# Altium PCB 脑电采集板V4.0.PcbDoc (part 1 of 2) (continued)
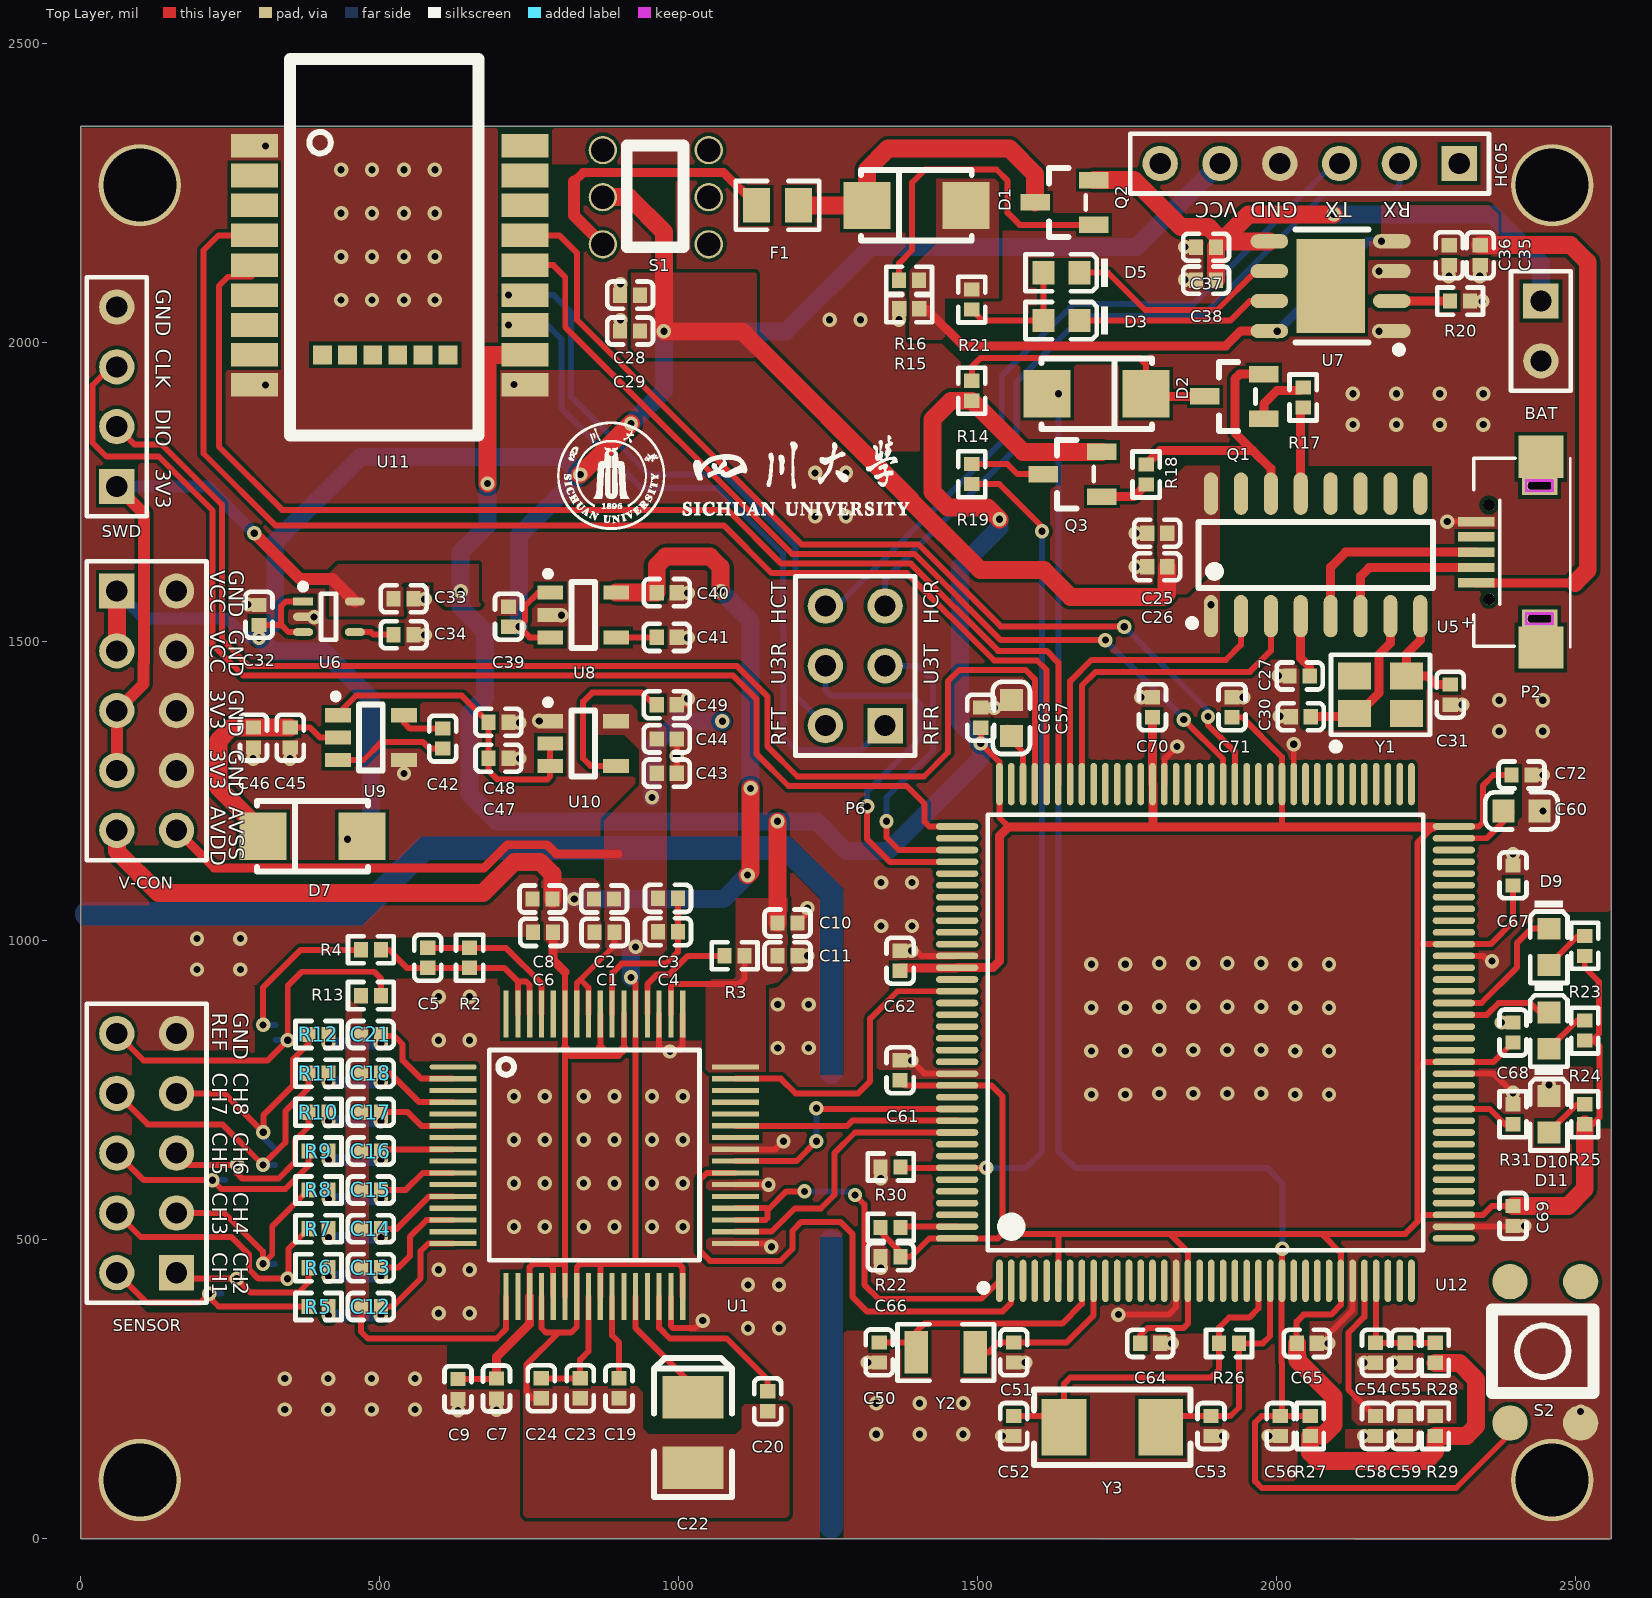
[diagram p0: Top Layer view]
## Components (designator, comment, footprint, x,y, rotation, side; value= is the part's Value field where it differs from the comment) (continued)
SWD "SWD" HDR1X4 60,1760 r90 top (schematic designator P7)
U1 "ADS1299" ADS1299 552.56,889.21 r0 top
U2 "TPD4E1B06DCKR" TPD4 325.34,460.59 r180 bottom
U3 "TPD4E1B06DCKR" TPD4 325.34,650.96 r180 bottom
U4 "TPD4E1B06DCKR" TPD4 325.34,859.53 r180 bottom
U5 "CH340G" SOIC-16_150mil 2065,1645.55 r0 top
U6 "TPS71733DCKR" SC-70-5 371.52,1567.6 r0 top
U7 "TP4056" SOP-8_EP_150mil 2090,2095 r90 top
U8 "TPS73225" SOT-23-5 840.12,1545 r180 top
U9 "TPS60403" SOT-23-5 485.12,1340 r180 top
U10 "TPS72325" SOT-23-5 840,1330 r180 top
U11 "nRF52832" nRF52832 480,2145 r180 top
U12 "STM32F429ZGT6" LQFP-144_20x20x05P 1880.71,846.85 r0 top
V-CON "电源" HDR2X5 60,1585 r270 top (schematic designator P3)
Y1 "12MHZ" SMD-3225_4P 2173.31,1411.5 r0 top
Y2 "32.768KHz" "SMD-3215_2P FC - 135" 1446.5,311.73 r0 top
Y3 "8MHz" SMD-5032_2P 1725,186.85 r0 top

## Footprints (in the part's own frame and the unit in brackets; to place one, negate y for a bottom-side part, rotate by r counter-clockwise, add the part's x,y. Pads: shape width x height; smd on the part's side, far side on the other; paste and mask are expansions set on the pad)
0402_C [mm]
  rect 0.6x0.65 smd mask+0.051: 1(-0.425,0) 2(0.425,0)
  silkscreen extent -0.97,-0.58 0.98,0.58, body extent -0.48,-0.3 0.52,0.3, height 0.2
0402_R [mm]
  rect 0.6x0.65 smd mask+0.051: 1(-0.425,0) 2(0.425,0)
  silkscreen extent -0.98,-0.58 0.97,0.58, body extent -0.57,-0.27 0.58,0.28, height 0.41
0603_C [mm]
  rect 0.93x0.98 smd: 1(-0.77,0) 2(0.77,0)
  silkscreen extent -1.53,-0.79 1.54,0.79, body extent -0.8,-0.4 0.8,0.4, height 0.3
0603_LED_S1 [mm]
  rect 0.93x0.98 smd: A(0.77,0) K(-0.77,0)
  silkscreen extent -1.98,-0.79 1.54,0.79, body extent -0.8,-0.4 0.8,0.4, height 0.6
0805_R [mm]
  rect 1.16x1.47 smd: 1(-0.89,0) 2(0.89,0)
  silkscreen extent -1.77,-1.03 1.77,1.03, body extent -1,-0.62 1,0.63, height 0.49
ADS1299 [mm]
  oval 2x0.22 smd: 1(1.778,-2.54)
  rect 2x0.22 smd: 2(1.778,-3.04) 3(1.778,-3.54) 4(1.778,-4.04) 5(1.778,-4.54) 6(1.778,-5.04) 7(1.778,-5.54) 8(1.778,-6.04) 9(1.778,-6.54) 10(1.778,-7.04) 11(1.778,-7.54) 12(1.778,-8.04) 13(1.778,-8.54) 14(1.778,-9.04) 15(1.778,-9.54) 16(1.778,-10.04) 33(13.778,-10.04) 34(13.778,-9.54) 35(13.778,-9.04) 36(13.778,-8.54) 37(13.778,-8.04) 38(13.778,-7.54) 39(13.778,-7.04) 40(13.778,-6.54) 41(13.778,-6.04) 42(13.778,-5.54) 43(13.778,-5.04) 44(13.778,-4.54) 45(13.778,-4.04) 46(13.778,-3.54) 47(13.778,-3.04) 48(13.778,-2.54)
  rect 0.22x2 smd: 17(4.028,-12.29) 18(4.528,-12.29) 19(5.028,-12.29) 20(5.528,-12.29) 21(6.028,-12.29) 22(6.528,-12.29) 23(7.028,-12.29) 24(7.528,-12.29) 25(8.028,-12.29) 26(8.528,-12.29) 27(9.028,-12.29) 28(9.528,-12.29) 29(10.028,-12.29) 30(10.528,-12.29) 31(11.028,-12.29) 32(11.528,-12.29) 49(11.528,-0.29) 50(11.028,-0.29) 51(10.528,-0.29) 52(10.028,-0.29) 53(9.528,-0.29) 54(9.028,-0.29) 55(8.528,-0.29) 56(8.028,-0.29) 57(7.528,-0.29) 58(7.028,-0.29) 59(6.528,-0.29) 60(6.028,-0.29) 61(5.528,-0.29) 62(5.028,-0.29) 63(4.528,-0.29) 64(4.028,-0.29)
  silkscreen extent 3.31,-10.75 12.24,-1.83
CASE-B_3528 [mm]
  rect 1.8x2.6 smd: 1(1.5,0) 2(-1.5,0)
  silkscreen extent -2.73,-1.65 3.16,1.65, body extent -1.85,-1.47 1.85,1.46, height 2.03
HDR1X2 [mm] "Connector; Header; 2 Position"
  rect 1.5x1.5 hole 0.9: 1(0,0)
  round 1.5 hole 0.9: 2(2.54,0)
  silkscreen extent -1.27,-1.27 3.81,1.27
HDR1X4 [mm] "Connector; Header; 4 Position"
  rect 1.5x1.5 hole 0.9: 1(0,0)
  round 1.5 hole 0.9: 2(2.54,0) 3(5.08,0) 4(7.62,0)
  silkscreen extent -1.27,-1.27 8.89,1.27
HDR1X6 [mm] "Connector; Header; 6 Position"
  rect 1.5x1.5 hole 0.9: 1(0,0)
  round 1.5 hole 0.9: 2(2.54,0) 3(5.08,0) 4(7.62,0) 5(10.16,0) 6(12.7,0)
  silkscreen extent -1.27,-1.27 13.97,1.27
HDR2X3 [mm] "Connector; Header; 3x2 Position"
  rect 1.5x1.5 hole 0.9: 1(0,0)
  round 1.5 hole 0.9: 2(0,2.54) 3(2.54,0) 4(2.54,2.54) 5(5.08,0) 6(5.08,2.54)
  silkscreen extent -1.27,-1.27 6.35,3.81
HDR2X5 [mm] "Connector; Header; 5x2 Position"
  rect 1.5x1.5 hole 0.9: 1(0,0)
  round 1.5 hole 0.9: 2(0,2.54) 3(2.54,0) 4(2.54,2.54) 5(5.08,0) 6(5.08,2.54) 7(7.62,0) 8(7.62,2.54) 9(10.16,0) 10(10.16,2.54)
  silkscreen extent -1.27,-1.27 11.43,3.81
key_4.5*4.5*3.8 [mm]
  round 1.5 smd: 1(0,0) 2(0,-3) ""(6,-3) ""(6,0)
  silkscreen extent 1.27,-3.56 4.83,0.76
KEY_5.8*5.8 [mm] "KEY_5.8*5.8"
  round 1.2 hole 1: 1(0,0) 2(0,2) 3(0,4) 4(4.5,4) 5(4.5,2) 6(4.5,0)
  silkscreen extent 1.02,-0.13 3.43,4.19
LQFP-144_20x20x05P [mm]
  oval 0.28x1.8 smd mask+0.051: 1(-8.75,-10.55) 2(-8.25,-10.55) 3(-7.75,-10.55) 4(-7.25,-10.55) 5(-6.75,-10.55) 6(-6.25,-10.55) 7(-5.75,-10.55) 8(-5.25,-10.55) 9(-4.75,-10.55) 10(-4.25,-10.55) 11(-3.75,-10.55) 12(-3.25,-10.55) 13(-2.75,-10.55) 14(-2.25,-10.55) 15(-1.75,-10.55) 16(-1.25,-10.55) 17(-0.75,-10.55) 18(-0.25,-10.55) 19(0.25,-10.55) 20(0.75,-10.55) 21(1.25,-10.55) 22(1.75,-10.55) 23(2.25,-10.55) 24(2.75,-10.55) 25(3.25,-10.55) 26(3.75,-10.55) 27(4.25,-10.55) 28(4.75,-10.55) 29(5.25,-10.55) 30(5.75,-10.55) 31(6.25,-10.55) 32(6.75,-10.55) 33(7.25,-10.55) 34(7.75,-10.55) 35(8.25,-10.55) 36(8.75,-10.55) 73(8.75,10.55) 74(8.25,10.55) 75(7.75,10.55) 76(7.25,10.55) 77(6.75,10.55) 78(6.25,10.55) 79(5.75,10.55) 80(5.25,10.55) 81(4.75,10.55) 82(4.25,10.55) 83(3.75,10.55) 84(3.25,10.55) 85(2.75,10.55) 86(2.25,10.55) 87(1.75,10.55) 88(1.25,10.55) 89(0.75,10.55) 90(0.25,10.55) 91(-0.25,10.55) 92(-0.75,10.55) 93(-1.25,10.55) 94(-1.75,10.55) 95(-2.25,10.55) 96(-2.75,10.55) 97(-3.25,10.55) 98(-3.75,10.55) 99(-4.25,10.55) 100(-4.75,10.55) 101(-5.25,10.55) 102(-5.75,10.55) 103(-6.25,10.55) 104(-6.75,10.55) 105(-7.25,10.55) 106(-7.75,10.55) 107(-8.25,10.55) 108(-8.75,10.55)
  oval 1.8x0.28 smd mask+0.051: 37(10.55,-8.75) 38(10.55,-8.25) 39(10.55,-7.75) 40(10.55,-7.25) 41(10.55,-6.75) 42(10.55,-6.25) 43(10.55,-5.75) 44(10.55,-5.25) 45(10.55,-4.75) 46(10.55,-4.25) 47(10.55,-3.75) 48(10.55,-3.25) 49(10.55,-2.75) 50(10.55,-2.25) 51(10.55,-1.75) 52(10.55,-1.25) 53(10.55,-0.75) 54(10.55,-0.25) 55(10.55,0.25) 56(10.55,0.75) 57(10.55,1.25) 58(10.55,1.75) 59(10.55,2.25) 60(10.55,2.75) 61(10.55,3.25) 62(10.55,3.75) 63(10.55,4.25) 64(10.55,4.75) 65(10.55,5.25) 66(10.55,5.75) 67(10.55,6.25) 68(10.55,6.75) 69(10.55,7.25) 70(10.55,7.75) 71(10.55,8.25) 72(10.55,8.75) 109(-10.55,8.75) 110(-10.55,8.25) 111(-10.55,7.75) 112(-10.55,7.25) 113(-10.55,6.75) 114(-10.55,6.25) 115(-10.55,5.75) 116(-10.55,5.25) 117(-10.55,4.75) 118(-10.55,4.25) 119(-10.55,3.75) 120(-10.55,3.25) 121(-10.55,2.75) 122(-10.55,2.25) 123(-10.55,1.75) 124(-10.55,1.25) 125(-10.55,0.75) 126(-10.55,0.25) 127(-10.55,-0.25) 128(-10.55,-0.75) 129(-10.55,-1.25) 130(-10.55,-1.75) 131(-10.55,-2.25) 132(-10.55,-2.75) 133(-10.55,-3.25) 134(-10.55,-3.75) 135(-10.55,-4.25) 136(-10.55,-4.75) 137(-10.55,-5.25) 138(-10.55,-5.75) 139(-10.55,-6.25) 140(-10.55,-6.75) 141(-10.55,-7.25) 142(-10.55,-7.75) 143(-10.55,-8.25) 144(-10.55,-8.75)
  silkscreen extent -9.57,-11 9.25,9.25
MICRO-USB [mm]
  rect 0.4x1.55 smd: 1(-1.3,2.2) 2(-0.65,2.2) 3(0,2.2) 4(0.65,2.2) 5(1.3,2.2)
  rect 1.8x1.9 smd: 6(-4.05,-0.55) 6(4.05,-0.55)
  rect 0.8x1.5 hole 0.4 slot 1 at 90 deg: 6(-2.825,-0.5) 6(2.825,-0.5)
  round 0.5 hole 0.5 unplated: ""(-2,1.65) ""(2,1.65)
  Keep-Out Layer lines w0.127: -3.054,0.075 -2.596,0.075 -2.596,-1.043 -3.054,-1.043 -3.054,0.075 ; 2.596,0.075 3.054,0.075 3.054,-1.043 2.596,-1.043 2.596,0.075
  silkscreen extent -4.05,-1.8 4,2.3, body extent -4.03,-3.3 4.03,2.28, height 3.13
nRF52832 [mm]
  rect 2x1 smd: 1(4.826,-4.699) 2(4.826,-3.429) 3(4.826,-2.159) 4(4.826,-0.889) 5(4.826,0.381) 6(4.826,1.651) 7(4.826,2.921) 8(4.826,4.191) 9(4.826,5.461) 16(-6.674,5.461) 17(-6.674,4.191) 18(-6.674,2.921) 19(-6.674,1.651) 20(-6.674,0.381) 21(-6.674,-0.889) 22(-6.674,-2.159) 23(-6.674,-3.429) 24(-6.674,-4.699)
  rect 0.8x0.8 smd: 10(1.93,4.191) 11(0.864,4.191) 12(-0.203,4.191) 13(-1.27,4.191) 14(-2.337,4.191) 15(-3.404,4.191)
  silkscreen extent -4.7,-8.38 3.3,7.62
SC-70-5 [mm]
  rect 0.85x0.35 smd: 1(0,0)
  oval 0.85x0.35 smd: 2(0,-0.65) 3(0,-1.3) 4(2.2,-1.3) 5(2.2,0)
  silkscreen extent -0.13,-1.63 1.4,0.76
SMA(DO-214AC)_S1 [mm]
  rect 2x2 smd: 1(2.1,0) 2(-2.1,0)
  silkscreen extent -2.35,-1.5 2.35,1.5
"SMD-3215_2P FC - 135" [mm]
  rect 1x1.8 smd: 1(-1.25,0) 2(1.25,0)
  silkscreen extent -2.05,-1.2 2.05,1.2
SMD-3225_4P [mm]
  rect 1.4x1.15 smd: 1(-1.1,-0.8) 2(1.1,-0.8) 3(1.1,0.8) 4(-1.1,0.8)
  silkscreen extent -2.1,-2.35 2.1,1.7, body extent -1.6,-1.25 1.6,1.25, height 0.61
SMD-5032_2P [mm]
  rect 1.9x2.4 smd: 1(-2.05,0) 2(2.05,0)
  silkscreen extent -3.33,-1.6 3.33,1.6
SOD-123 [mm]
  rect 1.25x1 smd: 1(1.475,0) 2(-1.475,0)
  silkscreen extent -0.5,-0.7 0.5,0.7, body extent -1.85,-0.77 1.85,0.78, height 1.35
SOIC-16_150mil [mm]
  oval 0.6x1.8 smd: 1(-4.445,-2.6) 2(-3.175,-2.6) 3(-1.905,-2.6) 4(-0.635,-2.6) 5(0.635,-2.6) 6(1.905,-2.6) 7(3.175,-2.6) 8(4.445,-2.6) 9(4.445,2.6) 10(3.175,2.6) 11(1.905,2.6) 12(0.635,2.6) 13(-0.635,2.6) 14(-1.905,2.6) 15(-3.175,2.6) 16(-4.445,2.6)
  silkscreen extent -5.4,-3.05 4.97,1.4
SOP-8_EP_150mil [mm]
  rect 4x2.9 smd: 0(0,0)
  oval 0.6x1.6 smd: 1(-1.905,-2.6) 2(-0.635,-2.6) 3(0.635,-2.6) 4(1.905,-2.6) 5(1.905,2.6) 6(0.635,2.6) 7(-0.635,2.6) 8(-1.905,2.6)
  silkscreen extent -2.85,-3.05 2.4,1.5
SOT-23(SOT-23-3) [mm]
  rect 1.25x0.7 smd: 1(1.25,-0.95) 2(1.25,0.95) 3(-1.25,0)
  silkscreen extent -0.65,-1.46 0.9,1.46, body extent -1.5,-1.5 1.5,1.5, height 1.3
SOT-23-5 [mm]
  rect 1.1x0.6 smd: 1(1.4,-0.95) 2(1.4,0) 3(1.4,0.95) 4(-1.4,0.95) 5(-1.4,-0.95)
  silkscreen extent -0.5,-1.87 1.62,1.4
TPD4 [mm]
  rect 0.85x0.35 smd: 1(0,0)
  oval 0.85x0.35 smd: 2(0,-0.65) 3(0,-1.3) 4(2.2,-1.3) 5(2.2,-0.65) 6(2.2,0)
  silkscreen extent -0.13,-1.63 1.4,0.76

## Part data
BAT: library part "Header 2", "Header, 2-Pin", LatestRevisionDate=17-Jul-2002, LatestRevisionNote="Re-released for DXP Platform.", Publisher="Altium Limited"
C1 C2 C3 C4 C5 C6 C7 C8 C9 C10 C11 C19 C20 C24 C44 C46 C48: library part "0603 10nF (103) 10% 50V", "贴片电容", Package=0603, SuppliersPartNumber=C57112, ComponentLink1Description=供应商链接, ComponentLink1URL=http://www.szlcsc.com/product/details_58143.html, Supplier=LC
C12 C13 C14 C15 C16 C17 C18 C21: library part "0402 1nF (102) 10% 50V", "贴片电容", Package=0402, SuppliersPartNumber=C1523, ComponentLink1Description=供应商链接, ComponentLink1URL=http://www.szlcsc.com/product/details_1875.html, Supplier=LC
C22: library part "3528 100uF (107) 10% 6.3V", "钽电容", Package=3528, SuppliersPartNumber=C16133, ComponentLink1Description=供应商链接, ComponentLink1URL=http://www.szlcsc.com/product/details_16815.html, Supplier=LC
C23 C25 C54 C58: library part "0603 10uF (106) 10% 10V", "贴片电容", Package=0603, SuppliersPartNumber=C19702, ComponentLink1Description=供应商链接, ComponentLink1URL=http://www.szlcsc.com/product/details_20411.html, Supplier=LC
C26 C27 C55 C56 C59 C61 C62 C63 C64 C65 C66 C67 C68 C69 C70 C71 C72: library part "0603 100nF (104) 10% 50V", "贴片电容", Package=0603, SuppliersPartNumber=C14663, ComponentLink1Description=供应商链接, ComponentLink1URL=http://www.szlcsc.com/product/details_15331.html, Supplier=LC
C28 C35 C38: library part "0402 100nF (104) 10% 16V", "贴片电容", Package=0402, SuppliersPartNumber=C1525, ComponentLink1Description=供应商链接, ComponentLink1URL=http://www.szlcsc.com/product/details_1877.html, Supplier=LC
C29 C36 C37: library part "0402 10uF (106) 20% 6.3V", "贴片电容", Package=0402, SuppliersPartNumber=C15525, ComponentLink1Description=供应商链接, ComponentLink1URL=http://www.szlcsc.com/product/details_16204.html, Supplier=LC
C30 C31 C52 C53: library part "0603 22pF (220) 5% 50V", "贴片电容", Package=0603, SuppliersPartNumber=C1653, ComponentLink1Description=供应商链接, ComponentLink1URL=http://www.szlcsc.com/product/details_2005.html, Supplier=LC
C32 C33 C39 C40 C42 C43 C45 C47: library part "0603 1uF (105) 10% 50V", "贴片电容", Package=0603, SuppliersPartNumber=C15849, ComponentLink1Description=供应商链接, ComponentLink1URL=http://www.szlcsc.com/product/details_16531.html, Supplier=LC
C34 C41 C49: library part "0603 1nF (102) 10% 50V", "贴片电容", Package=0603, SuppliersPartNumber=C1588, ComponentLink1Description=供应商链接, ComponentLink1URL=http://www.szlcsc.com/product/details_1940.html, Supplier=LC
C50 C51: library part "0603 10pF (100) 5% 50V", "贴片电容", Package=0603, SuppliersPartNumber=C1634, ComponentLink1Description=供应商链接, ComponentLink1URL=http://www.szlcsc.com/product/details_1986.html, Supplier=LC
C57 C60: library part "0603 2.2uF (225) 10% 16V", "贴片电容", Package=0603, SuppliersPartNumber=C23630, ComponentLink1Description=供应商链接, ComponentLink1URL=http://www.szlcsc.com/product/details_24366.html, Supplier=LC
D1 D2 D7: library part "SMA(DO-214AC) SS210", "二极管", Package=SMA(DO-214AC), SuppliersPartNumber=C14996, ComponentLink1Description=供应商链接, ComponentLink1URL=http://www.szlcsc.com/product/details_15669.html, Supplier=LC
D3 D11: library part "0603 红灯", "发光二极管", Package=0603, SuppliersPartNumber=C2286, ComponentLink1Description=供应商链接, ComponentLink1URL=http://www.szlcsc.com/product/details_2659.html, Supplier=LC
D4 D6 D8: library part "SOD-123 B5819W  SL", "肖特基二极管", Package=SOD-123, SuppliersPartNumber=C8598, ComponentLink1Description=供应商链接, ComponentLink1URL=http://www.szlcsc.com/product/details_9093.html, Supplier=LC
D5 D9 D10: library part "0603 绿灯", "发光二极管", Package=0603, SuppliersPartNumber=C72043, ComponentLink1Description=供应商链接, ComponentLink1URL=http://www.szlcsc.com/product/details_73152.html, Supplier=LC
F1: library part "Fuse 2", "Fuse", LatestRevisionDate=17-Jul-2002, LatestRevisionNote="Re-released for DXP Platform.", PackageDescription="Thru-Hole; 2 Leads", PackageReference=PIN-W2/E2.8, Published=8-Jun-2000, Publisher="Altium Limited"
HC05: library part "Header 6", "Header, 6-Pin", LatestRevisionDate=17-Jul-2002, LatestRevisionNote="Re-released for DXP Platform.", Publisher="Altium Limited"
P2: library part "Header 5", "Header, 5-Pin", LatestRevisionDate=17-Jul-2002, LatestRevisionNote="Re-released for DXP Platform.", Publisher="Altium Limited"
P6: library part "Header 3X2", "Header, 3-Pin, Dual row", LatestRevisionDate=17-Jul-2002, LatestRevisionNote="Re-released for DXP Platform.", Publisher="Altium Limited"
Q1: library part "SOT-23 SS8050 Y1", "三极管", Package=SOT-23, SuppliersPartNumber=C2150, ComponentLink1Description=供应商链接, ComponentLink1URL=http://www.szlcsc.com/product/details_2507.html, Supplier=LC
Q2: "MOS(场效应管)", Package=SOT-23(SOT-23-3), SuppliersPartNumber=C8492, ComponentLink1Description=供应商链接, ComponentLink1URL=http://www.szlcsc.com/product/details_8986.html, Supplier=LC
Q3: library part "SOT-23 SS8550 Y2", "三极管", Package=SOT-23, SuppliersPartNumber=C8542, ComponentLink1Description=供应商链接, ComponentLink1URL=http://www.szlcsc.com/product/details_9037.html, Supplier=LC
R2 R4: library part "0603 100KΩ (1003) 1%", "贴片电阻", Package=0603, SuppliersPartNumber=C25803, ComponentLink1Description=供应商链接, ComponentLink1URL=http://www.szlcsc.com/product/details_26546.html, Supplier=LC
R3: library part "0603 10KΩ (1002) 1%", "贴片电阻", Package=0603, SuppliersPartNumber=C25804, ComponentLink1Description=供应商链接, ComponentLink1URL=http://www.szlcsc.com/product/details_26547.html, Supplier=LC
R5 R6 R7 R8 R9 R10 R11 R12 R13: library part "0402 2.2KΩ (2201) 1%", "贴片电阻", Package=0402, SuppliersPartNumber=C25879, ComponentLink1Description=供应商链接, ComponentLink1URL=http://www.szlcsc.com/product/details_26622.html, Supplier=LC
R14 R17 R18 R19 R25: library part "0603 1KΩ (1001) 1%", "贴片电阻", Package=0603, SuppliersPartNumber=C21190, ComponentLink1Description=供应商链接, ComponentLink1URL=http://www.szlcsc.com/product/details_21904.html, Supplier=LC
R15 R16: library part "0402 100KΩ (1003) 1%", "贴片电阻", Package=0402, SuppliersPartNumber=C25741, ComponentLink1Description=供应商链接, ComponentLink1URL=http://www.szlcsc.com/product/details_26484.html, Supplier=LC
R20: library part "0402 1.2KΩ (1201) 1%", "贴片电阻", Package=0402, SuppliersPartNumber=C25862, ComponentLink1Description=供应商链接, ComponentLink1URL=http://www.szlcsc.com/product/details_26605.html, Supplier=LC
R21: library part "0402 1KΩ (1001) 1%", "贴片电阻", Package=0402, SuppliersPartNumber=C11702, ComponentLink1Description=供应商链接, ComponentLink1URL=http://www.szlcsc.com/product/details_12256.html, Supplier=LC
R22: library part "0603 0Ω (0R0) 1%", "贴片电阻", Package=0603, SuppliersPartNumber=C21189, ComponentLink1Description=供应商链接, ComponentLink1URL=http://www.szlcsc.com/product/details_21903.html, Supplier=LC
R23 R24: library part "0603 510Ω (5100) 1%", "贴片电阻", Package=0603, SuppliersPartNumber=C23193, ComponentLink1Description=供应商链接, ComponentLink1URL=http://www.szlcsc.com/product/details_23920.html, Supplier=LC
R26: library part "0603 1.2MΩ (1204) 1%", "贴片电阻", Package=0603, SuppliersPartNumber=C22766, ComponentLink1Description=供应商链接, ComponentLink1URL=http://www.szlcsc.com/product/details_23493.html, Supplier=LC
R27 R28 R29 R30 R31: library part "0603 10Ω (10R0) 1%", "贴片电阻", Package=0603, SuppliersPartNumber=C22859, ComponentLink1Description=供应商链接, ComponentLink1URL=http://www.szlcsc.com/product/details_23586.html, Supplier=LC
S1 S2: "Switch", LatestRevisionDate=17-Jul-2002, LatestRevisionNote="Re-released for DXP Platform.", PackageDescription="Switch; 2 Leads", PackageReference=SPST-2, Published=24-Mar-1999, Publisher="Altium Limited"
SENSOR V-CON: library part "Header 5X2", "Header, 5-Pin, Dual row", LatestRevisionDate=17-Jul-2002, LatestRevisionNote="Re-released for DXP Platform.", Publisher="Altium Limited"
SWD: library part "Header 4", "Header, 4-Pin", LatestRevisionDate=17-Jul-2002, LatestRevisionNote="Re-released for DXP Platform.", Publisher="Altium Limited"
U5: library part CH340G_[C14267], "USB", Package=SOIC-16_150mil, SuppliersPartNumber=C14267, ComponentLink1Description=供应商链接, ComponentLink1URL=http://www.szlcsc.com/product/details_14927.html, Supplier=LC
U7: library part TP4056_[C16581], "电池电源管理", Package=SOP-8_EP_150mil, SuppliersPartNumber=C16581, ComponentLink1Description=供应商链接, ComponentLink1URL=http://www.szlcsc.com/product/details_17264.html, Supplier=LC
U12: "ARM", Package=LQFP-144_20x20x05P, SuppliersPartNumber=C46525, ComponentLink1Description=供应商链接, ComponentLink1URL=http://www.szlcsc.com/product/details_47529.html, Supplier=LC
Y1: library part "SMD-3225_4P  12MHZ 20PF 10PPM", "贴片晶振", Package=SMD-3225_4P, SuppliersPartNumber=C9002, ComponentLink1Description=供应商链接, ComponentLink1URL=http://www.szlcsc.com/product/details_9522.html, Supplier=LC
Y2: library part "SMD-3215_2P 32.768KHz 20ppm 12.5pF", "贴片晶振", Package=SMD-3215_2P, SuppliersPartNumber=C32346, ComponentLink1Description=供应商链接, ComponentLink1URL=http://www.szlcsc.com/product/details_33310.html, Supplier=LC
Y3: library part "SMD-5032_2P 8MHz 20ppm 20pF", "贴片晶振", Package=SMD-5032_2P, SuppliersPartNumber=C115962, ComponentLink1Description=供应商链接, ComponentLink1URL=http://www.szlcsc.com/product/details_117214.html, Supplier=LC

## Free pads (board coordinates)
  round 137.8 hole 122.05: 1(98.43,98.43) 1(98.43,2263.78) 1(2460.63,98.43) 1(2460.63,2263.78)

## Via types
v1: diameter 24, hole 12, Top Layer to Bottom Layer, tented both sides, 267 vias

## Nets (pads, with @x,y where several pads share a name; then routed paths per layer and width w, separated by ;. In a path a pad name is that pad's centre, name@x,y a point inside that pad or via, vN(x,y) a via of type N, cw(c..) or ccw(c..) an arc to the next point about the centre after c; other vN are vias at no path point)
AGND: BAT.2 C6.2 C7.2 C8.2 C9.2 C10.2 C11.2 C25.2 C26.2 C27.2 C28.1 C29.1 C30.1 C31.1 C32.1 C33.1 C34.1 C35.1 C36.1 C37.1 C38.1 C39.1 C40.1 C41.1 C43.2 C44.1 C45.2 C46.1 C47.2 C48.1 C49.1 C50.1 C51.1 C52.1 C53.1 C54.2 C55.2 C56.1 C57.1 C58.1 C59.1 C60.1 C61.1 C62.1 C63.1 C64.1 C65.1 C66.1 C67.1 C68.1 C69.1 C70.1 C71.1 C72.1 D4.1 D6.1 D8.2 D11.K HC05.4 P2.5 pad.1 R15.2 R20.1 R30.1 R31.1 S2.2 SENSOR.9 SWD.4 U1.31 U1.33 U1.38 U1.41 U1.49 U1.51 U2.3 U3.3 U4.3 U5.1 U6.2 U7.1 U7.3 U8.2 U9.4 U10.1 U11.1 U11.9 U11.16 U12.16 U12.31 U12.38 U12.51 U12.61 U12.83 U12.94 U12.107 U12.120 U12.130 V-CON.2 V-CON.4 V-CON.6 V-CON.8 | length 2631.8
  Top Layer w10: v1@279.99,1562.01 C32.1@297.9,1562.01 ; v1@288.6,1305.36 C46.1@288.6,1323.27 ; U11.9@290,1930 U11.9@307.91,1930 ; U11.1@290,2330 U11.1@307.91,2330 ; v1@350.12,1305.36 C45.2@350.12,1323.27 ; U6.2@371.52,1542.01 v1@389.43,1542.01 ; v1(540.24,1280) U9.4@540.24,1302.6 ; C34.1@556.52,1512.01 v1@574.43,1512.01 ; C33.1@556.52,1572.01 v1@574.43,1572.01 ; v1(630.63,214.72) C9.2@630.63,233.74 ; v1(695,215.67) C7.2@695,234.69 ; C47.2@714.98,1305.49 v1@732.9,1305.49 ; C48.1@714.98,1365.49 v1@732.9,1365.49 ; U11.16@724.84,1930 U11.16@742.76,1930 ; U10.1@766.97,1367.4 U10.1@784.88,1367.4 ; U8.2@785,1545 U8.2@802.91,1545 ; C29.1@901.73,2020 v1@901.73,2037.91 ; C28.1@901.73,2080 v1@901.73,2097.91 ; U1.51@967.05,877.8 967.05,823.84 973.57,817.32 998.74,817.32 1006.42,825 U1.49@1006.42,877.8 ; U1.31@986.73,405.35 986.73,355.9 990.31,352.32 1027.32,352.32 v1(1040,365) ; C41.1@996.52,1507.6 v1@1014.43,1507.6 ; C40.1@996.52,1582.4 v1@1014.43,1582.4 ; C43.2@996.54,1280.55 C44.1@996.54,1337.78 ; C49.1@996.54,1395 v1@1014.45,1395 ; U1.33@1095,493.94 1149.39,493.94 v1(1154.75,488.58) ; U1.38@1095,592.36 v1(1150,592.36) ; U1.41@1095,651.42 1161.42,651.42 v1(1175,665) ; C11.2@1198.46,975 v1(1215,975) ; C10.2@1198.46,1030 1215,1046.54 v1(1215,1055) ; v1(1315.98,295) C50.1@1335,295 ; v1(1337.52,452.83) C66.1@1337.52,471.85 ; v1(1337.52,602.83) R30.1@1337.52,621.85 ; v1@1368.62,2039.49 R15.2@1368.62,2057.4 ; C61.1@1370,800 v1(1389.02,800) 1411.06,777.95 U12.130@1465.35,777.95 ; C62.1@1370,983.58 v1(1389.02,983.58) 1396.78,983.58 1405.56,974.8 U12.120@1465.35,974.8 ; C63.1@1505,1390 C57.1@1550,1390 ; v1(1540.98,171.97) C52.1@1560,171.97 ; C51.1@1560,295 v1(1579.02,295) ; v1(1735,375) 1819.02,375 1831.5,387.48 U12.16@1831.5,431.5 ; v1(1764.25,1625.55) C26.2@1783.27,1625.55 ; v1(1764.25,1681.86) C25.2@1783.27,1681.86 ; v1(1773.11,1407.48) C70.1@1792.13,1407.48 ; C64.1@1805,326.85 v1(1824.02,326.85) ; U12.94@1811.81,1262.2 1811.81,1303.6 v1(1833.22,1325) ; v1@1847.09,2105.08 C38.1@1865,2105.08 ; v1@1847.09,2160 C37.1@1865,2160 ; C53.1@1890,171.97 v1(1909.02,171.97) ; U5.1@1890,1543.19 v1(1890,1562.21) ; C71.1@1925,1407.48 v1(1944.02,1407.48) ; v1(1986.81,171.97) C56.1@2005.83,171.97 ; v1@2003.62,1442.99 C27.2@2021.54,1442.99 ; v1@2005.35,1375 C30.1@2023.27,1375 ; U12.83@2028.35,1262.2 v1(2028.35,1328.86) ; C65.1@2066.73,326.85 v1(2085.75,326.85) 2085.75,341.64 2126.77,382.67 U12.31@2126.77,431.5 ; v1(2145.98,171.97) C58.1@2165,171.97 ; v1(2145.98,294.37) C54.2@2165,294.37 ; U7.1@2192.36,2020 U7.1@2210.27,2020 ; U7.3@2192.36,2120 U7.3@2210.27,2120 ; v1(2195.98,171.97) C59.1@2215,171.97 ; v1(2195.98,294.37) C55.2@2215,294.37 ; v1(2285,1701.18) P2.5@2333.39,1701.18 ; v1@2288.27,2112.09 C36.1@2288.27,2130 ; C31.1@2290,1395 v1(2310,1395) ; U12.38@2296.06,522.05 2393.78,522.05 C69.1@2395,523.27 v1(2414.02,523.27) ; U12.51@2296.06,777.95 2362.8,777.95 v1(2395,745.75) R31.1@2395,726.73 ; U12.61@2296.06,974.8 2296.26,975 2345,975 2353.85,966.15 v1(2360,966.15) ; R20.1@2325,2070 v1@2342.91,2070 ; v1@2340,2112.09 C35.1@2340,2130 ; v1(2375.98,863.46) C68.1@2395,863.46 ; C67.1@2395,1126.38 v1(2395,1145.39) ; C60.1@2425.98,1217.4 v1(2445,1217.4) ; C72.1@2428.58,1280 C72.1@2425.98,1277.4 v1(2445,1277.4) ; D11.K@2455,740.31 v1(2455,759.33) ; S2.2@2508.11,193.78 v1(2508.11,212.8)
  other v1: 1330.02,175.02 1402.68,175.02 1475.33,175.02 340.81,216.25 413.46,216.25 486.12,216.25 558.77,216.25 1330.02,226.72 1402.68,226.72 1475.33,226.72 340.81,267.95 413.46,267.95 486.12,267.95 558.77,267.95 1115.67,352.07 1167.37,352.07 598.3,377.27 650,377.27 1115.67,424.72 1167.37,424.72 598.3,449.92 650,449.92 724.3,522.04 776,522.04 840.67,522.04 892.37,522.04 955,522.04 1006.7,522.04 724.3,594.69 776,594.69 840.67,594.69 892.37,594.69 955,594.69 1006.7,594.69 724.3,667.35 776,667.35 840.67,667.35 892.37,667.35 955,667.35 1006.7,667.35 724.3,740 776,740 840.67,740 892.37,740 955,740 1006.7,740 1689.86,743.07 1746.65,743.07 2030.61,743.07 2087.4,743.07 1803.44,744.74 1860.23,744.74 1917.02,744.74 1973.82,744.74 985,815 1689.86,815.73 1746.65,815.73 2030.61,815.73 2087.4,815.73 1803.44,817.39 1860.23,817.39 1917.02,817.39 1973.82,817.39 1165.32,820.84 1217.02,820.84 598.3,833.94 650,833.94 1689.86,888.38 1746.65,888.38 2030.61,888.38 2087.4,888.38 1803.44,890.04 1860.23,890.04 1917.02,890.04 1973.82,890.04 1165.32,893.5 1217.02,893.5 598.3,906.6 650,906.6 194.05,952.09 266.71,952.09 1689.86,961.04 1746.65,961.04 2030.61,961.04 2087.4,961.04 1803.44,962.7 1860.23,962.7 1917.02,962.7 1973.82,962.7 194.05,1003.8 266.71,1003.8 1338.3,1025 1390,1025 1338.3,1097.65 1390,1097.65 288.05,1304.8 349.57,1304.8 733.45,1304.94 996.54,1309.16 2372.04,1350.59 2444.69,1350.59 733.45,1364.94 766.42,1367.95 2004.8,1375.55 1527.5,1390 2372.04,1402.29 2444.69,1402.29 1015,1405 2003.07,1443.54 1014.98,1507.05 574.98,1511.46 389.98,1541.46 803.46,1544.45 279.43,1562.56 574.98,1571.46 1014.98,1581.85 1227.83,1710 1279.53,1710 1227.83,1782.65 1279.53,1782.65 2127.28,1863.38 2199.94,1863.38 2272.59,1863.38 2345.24,1863.38 2127.28,1915.08 2199.94,1915.08 2272.59,1915.08 2345.24,1915.08 308.46,1929.45 724.29,1930.55 2171.07,2019.45 902.28,2038.46 1252.08,2038.8 1303.78,2038.8 1368.07,2038.94 2343.46,2069.45 435.24,2071.68 486.94,2071.68 540.24,2071.68 591.94,2071.68 902.28,2098.46 1846.54,2105.63 2287.72,2111.54 2339.45,2111.54 2171.07,2120 435.24,2144.34 486.94,2144.34 540.24,2144.34 591.94,2144.34 1846.54,2160.55 435.24,2216.99 486.94,2216.99 540.24,2216.99 591.94,2216.99 435.24,2289.65 486.94,2289.65 540.24,2289.65 591.94,2289.65 308.46,2329.45
AIN1P: C12.2 R5.2 U1.16 | length 309
  Top Layer w10: C12.2@501.73,388.49 521.32,388.49 568.31,435.47 568.31,481.31 580.94,493.94 U1.16@622.56,493.94
  Top Layer w20: v1(414.06,373.49) R5.2@414.06,388.49 ; v1(501.73,373.49) C12.2@501.73,388.49
  Bottom Layer w20: v1(414.06,373.49) v1(501.73,373.49)
AIN2P: C13.2 R6.2 U1.14 | length 290.4
  Top Layer w10: C13.2@501.73,453.49 530.65,453.49 550,472.83 550,505 578.31,533.31 U1.14@622.56,533.31
  Top Layer w20: v1(414.06,438.49) R6.2@414.06,453.49 ; v1(501.73,438.49) C13.2@501.73,453.49
  Bottom Layer w20: v1(414.06,438.49) v1(501.73,438.49)
AIN3P: C14.2 R7.2 U1.12 | length 261
  Top Layer w10: C14.2@501.73,518.49 528.49,518.49 582.68,572.68 U1.12@622.56,572.68
  Top Layer w20: v1(414.06,503.49) R7.2@414.06,518.49 ; v1(501.73,503.49) C14.2@501.73,518.49
  Bottom Layer w20: v1(414.06,503.49) v1(501.73,503.49)
AIN4P: C15.2 R8.2 U1.10 | length 235.3
  Top Layer w10: C15.2@501.73,583.49 543.49,583.49 572.05,612.05 U1.10@622.56,612.05
  Top Layer w20: v1(414.06,568.49) R8.2@414.06,583.49
  Bottom Layer w20: v1(414.06,568.49) v1(501.73,568.49)
AIN5P: C16.2 R9.2 U1.8 | length 239.7
  Top Layer w10: C16.2@501.73,648.49 504.66,651.42 U1.8@622.56,651.42
  Top Layer w20: v1(414.06,633.49) R9.2@414.06,648.49 ; v1(501.73,633.49) C16.2@501.73,648.49
  Bottom Layer w20: v1(414.06,633.49) v1(501.73,633.49)
AIN6P: C17.2 R10.2 U1.6 | length 247.9
  Top Layer w10: C17.2@501.73,713.49 546.51,713.49 569.21,690.79 U1.6@622.56,690.79
  Top Layer w20: v1(414.06,698.49) R10.2@414.06,713.49 ; v1(501.73,698.49) C17.2@501.73,713.49
  Bottom Layer w20: v1(414.06,698.49) v1(501.73,698.49)
AIN7P: C18.2 R11.2 U1.4 | length 258.5
  Top Layer w10: C18.2@501.73,778.49 517.26,778.49 565.59,730.16 U1.4@622.56,730.16
  Top Layer w20: v1(414.06,763.49) R11.2@414.06,778.49 ; v1(501.73,763.49) C18.2@501.73,778.49
  Bottom Layer w20: v1(414.06,763.49) v1(501.73,763.49)
AIN8P: C21.2 R12.2 U1.2 | length 284.7
  Top Layer w10: C21.2@501.73,843.49 504.25,840.97 524.03,840.97 538.19,826.81 538.19,800.3 568.96,769.53 U1.2@622.56,769.53
  Top Layer w20: v1(414.06,828.49) R12.2@414.06,843.49 ; v1(501.73,828.49) C21.2@501.73,843.49
  Bottom Layer w20: v1(414.06,828.49) v1(501.73,828.49)
AVDD: C1.1 C2.1 C6.1 C7.1 C8.1 C9.1 C40.2 D6.2 U1.19 U1.21 U1.22 U1.54 U1.56 U1.59 U8.5 V-CON.9 | length 3189.2
  Top Layer w10: C9.1@630.63,267.21 694.06,267.21 C7.1@695,268.15 ; U1.19@750.51,405.35 750.51,454.31 756.2,460 783.46,460 ; U1.21@789.88,405.35 789.88,453.58 783.46,460 ; U1.22@809.57,405.35 809.57,460 ; 809.57,948.01 U1.59@809.57,877.8 809.57,820.43 809.57,460 ; 868.62,821.38 U1.56@868.62,877.8 ; 907.99,820 U1.54@907.99,877.8 ; 783.46,460 809.57,460
  Top Layer w15: C7.1@695,268.15 695,303.86 750.51,359.37 U1.19@750.51,405.35 ; C6.1@789.76,1014.24 789.76,967.81 809.57,948.01 ; 809.57,820.43 820,810 880,810 ; 868.62,821.38 880,810 ; 907.99,820 897.99,810 880,810
  Top Layer w30: V-CON.9@60,1185 60,1150 130,1080 672.72,1080 725,1132.28 767.72,1132.28 788.46,1111.54 C8.1@788.46,1070 ; U8.5@895.24,1582.4 C40.2@963.05,1582.4 963.05,1628.05 977.5,1642.5 1052.5,1642.5 1070,1625 v1(1070,1585) ; v1(1115,1110) 1120,1115 v1(1120,1255)
  Bottom Layer w30: v1(825,1070) 1075,1070 v1(1115,1110) ; v1(1070,1585) 1120,1535 v1(1120,1255)
AVSS: C1.2 C2.2 C3.2 C4.2 C19.2 C20.2 C22.2 C23.1 C24.2 C43.1 C44.2 D8.1 U1.20 U1.23 U1.25 U1.32 U1.53 U1.57 U1.58 U10.5 V-CON.10 | length 2424.3
  Top Layer w10: C24.2@770,235 755.65,235 745,245.65 745,291.15 798.85,345 ; U1.20@770.2,405.35 770.2,352.5 777.7,345 798.85,345 ; U1.58@829.25,877.8 829.25,929.25 835.43,935.43 ; U1.57@848.94,877.8 848.94,921.93 835.43,935.43 ; U1.25@868.62,405.35 868.62,460 ; C1.2@892.37,1014.24 892.37,992.37 835.43,935.43 ; v1(920,939) 920,937.18 927.68,929.5 U1.53@927.68,877.8 927.68,462.68 925,460 ; U1.32@1006.42,405.35 1006.42,453.58 1000,460 925,460 ; 798.85,345 820,345 829.25,354.25 U1.23@829.25,405.35 829.25,454.25 835,460 868.62,460 ; 868.62,460 925,460
  Top Layer w15: V-CON.10@160,1185 222.87,1122.13 674.54,1122.13 713.2,1160.78 779.52,1160.78 794.91,1145.39 897.99,1145.39
  Bottom Layer w30: v1(920,939) 920,982.32 v1(927.68,990) ; v1(955,1240) 955,1323.89 998.33,1367.22 v1(1072.72,1367.22)
BOOT0: R19.2 R30.2 U12.138 | length 1440.2
  Top Layer w10: R30.2@1370.98,621.85 1372.36,620.47 U12.138@1465.35,620.47 v1(1514.35,620.47) ; R19.2@1490,1763.82 1536.18,1763.82 1607.38,1692.62 v1(1607.38,1685)
  Bottom Layer w10: v1(1514.35,620.47) 1580.47,620.47 1607.38,647.38 v1(1607.38,1685)
BOOT1: R31.2 U12.48 | length 109.6
  Top Layer w10: U12.48@2296.06,718.9 2356.1,718.9 2381.73,693.27 R31.2@2395,693.27
C\S\: U1.39 U12.2 | length 921.8
  Top Layer w10: U1.39@1095,612.05 1047.05,612.05 1035,600 1035,482 1052,465 1170,465 1190,485 1190,515 1205,530 1270,530 1290,510 1290,405 1315,380 1540.91,380 1555.91,395 U12.2@1555.91,431.5
CH340_D+: P2.3 U5.5 | length 335.6
  Top Layer w15: U5.5@2090,1543.19 2090,1625 2115,1650 P2.3@2333.39,1650
CH340_D-: P2.2 U5.6 | length 266.2
  Top Layer w15: U5.6@2140,1543.19 2140,1610 2154.41,1624.41 P2.2@2333.39,1624.41
D\R\D\Y\: U1.47 U12.123 | length 512.7
  Top Layer w10: U1.47@1095,769.53 1170.47,769.53 1195,745 1300,745 1320,765 1320,870 1365.75,915.75 U12.123@1465.35,915.75
DIN: U1.34 U12.135 | length 480.1
  Top Layer w10: U1.34@1095,513.62 1155,513.62 1193.88,552.5 1237.5,552.5 1260,575 1260,645 1294.53,679.53 U12.135@1465.35,679.53
DOUT: U1.43 U12.134 | length 373.8
  Top Layer w10: U1.43@1095,690.79 1281.58,690.79 1290,699.21 U12.134@1465.35,699.21
HC05_RX: HC05.2 P6.5 | length 1278.5
  Bottom Layer w10: P6.5@1345,1560 1345,1605 1565,1825 1565,1935 1675,2045 1875,2045 2080,2250 2191.22,2250 2205,2263.78 HC05.2@2205,2300
HC05_TX: HC05.3 P6.6 | length 1231
  Bottom Layer w10: P6.6@1245,1560 1265,1560 1540,1835 1540,1945 1660,2065 1860,2065 2095,2300 HC05.3@2105,2300
IN1P: R5.1 SENSOR.2 U2.4 | length 380.5
  Top Layer w10: SENSOR.2@60,445 110,395 199.41,395 v1(214.41,410) 214.41,404.07 230,388.49 R5.1@380.59,388.49
  Bottom Layer w10: v1(214.41,410) U2.4@235,410